# Altium PCB ultrasonic_emitter.PcbDoc
Units mm, origin at the board's own origin, x right, y up, seen from the top; angles counter-clockwise.
Board outline 196.63 x 170 mm, 2 copper layers (Top Layer, Bottom Layer); 95 components, 2 nets, 277 pads, 40 vias.
Unrouted connection lines stored in the file: 1.
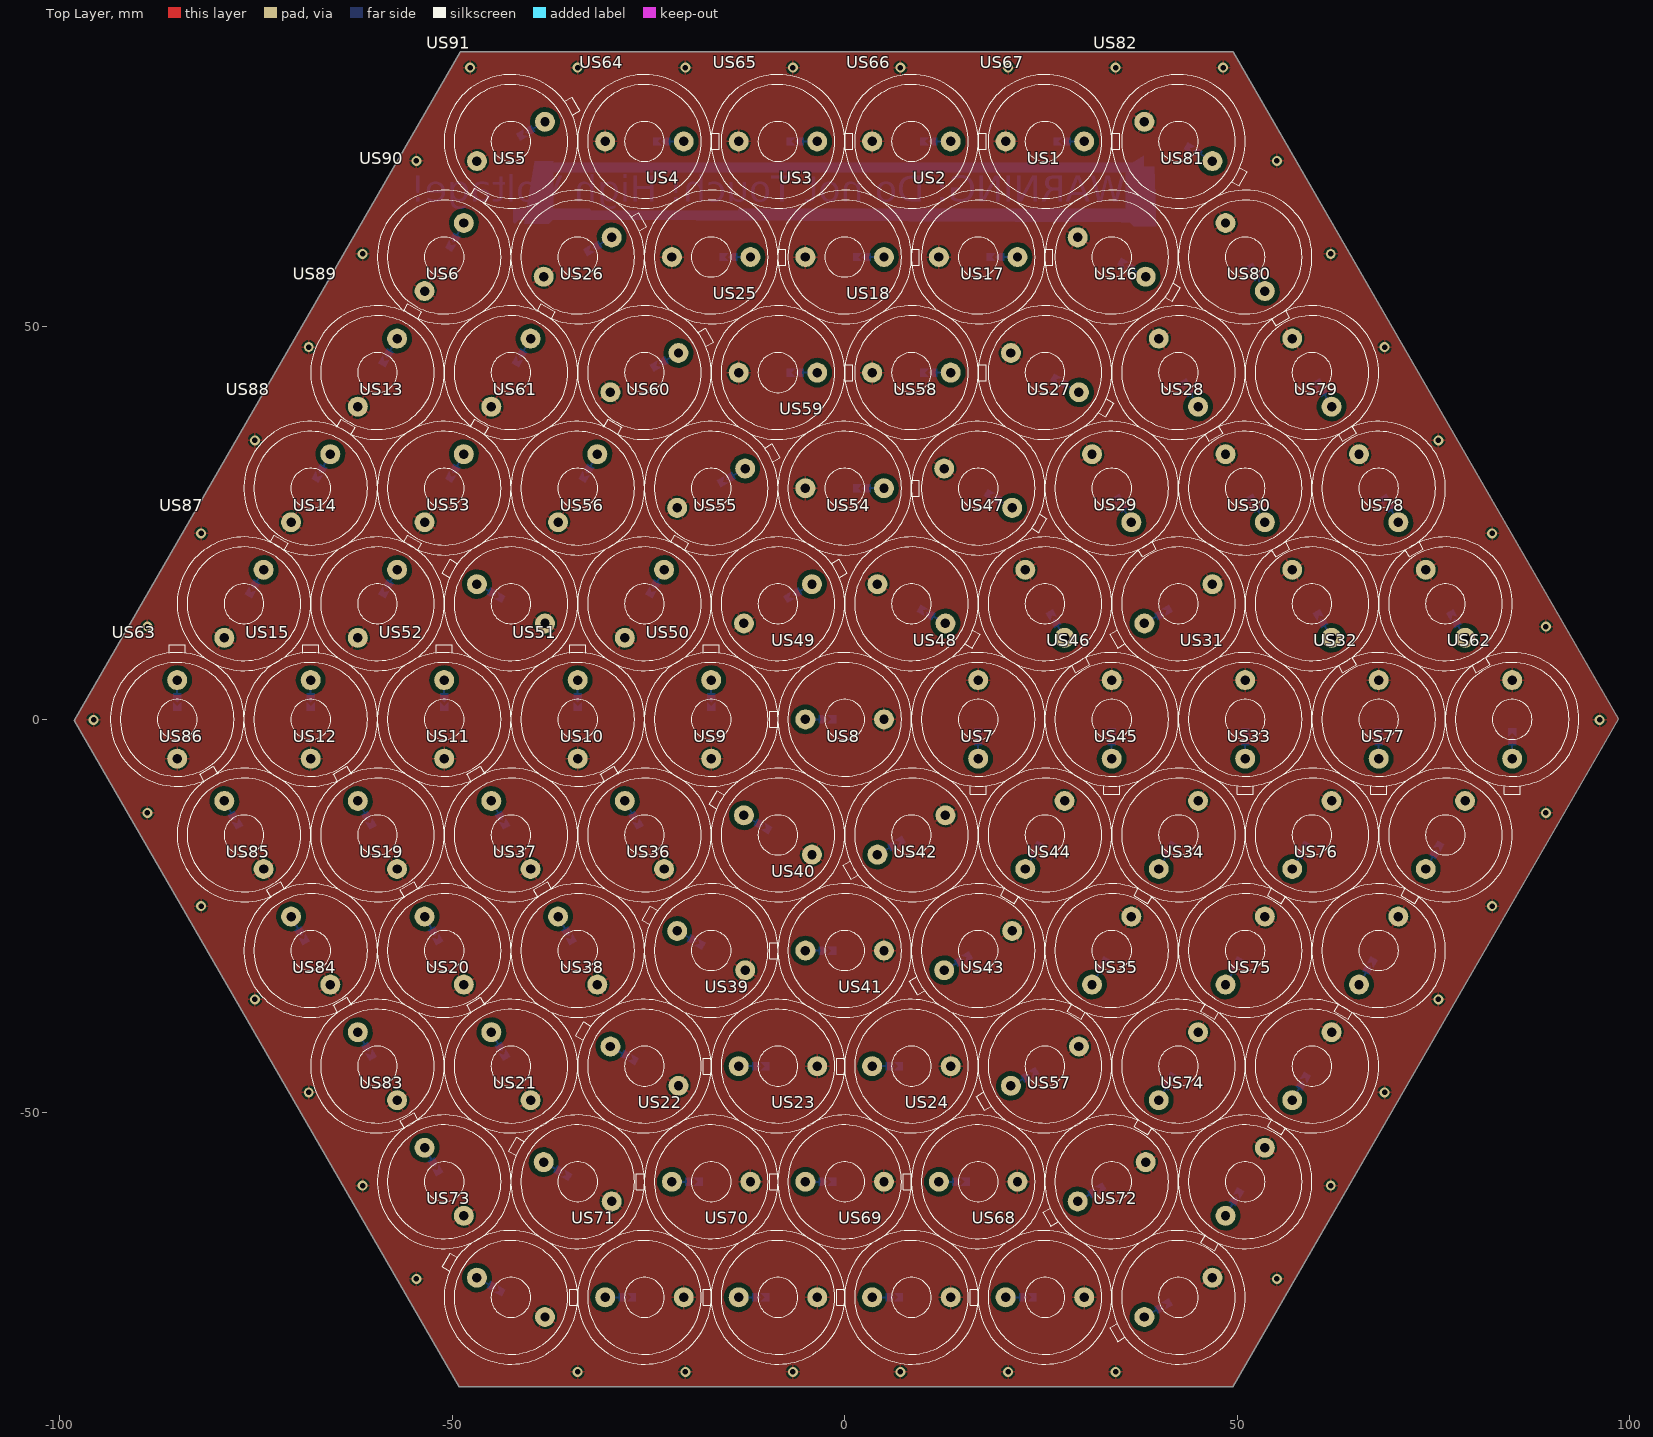
[diagram p0: Top Layer view]
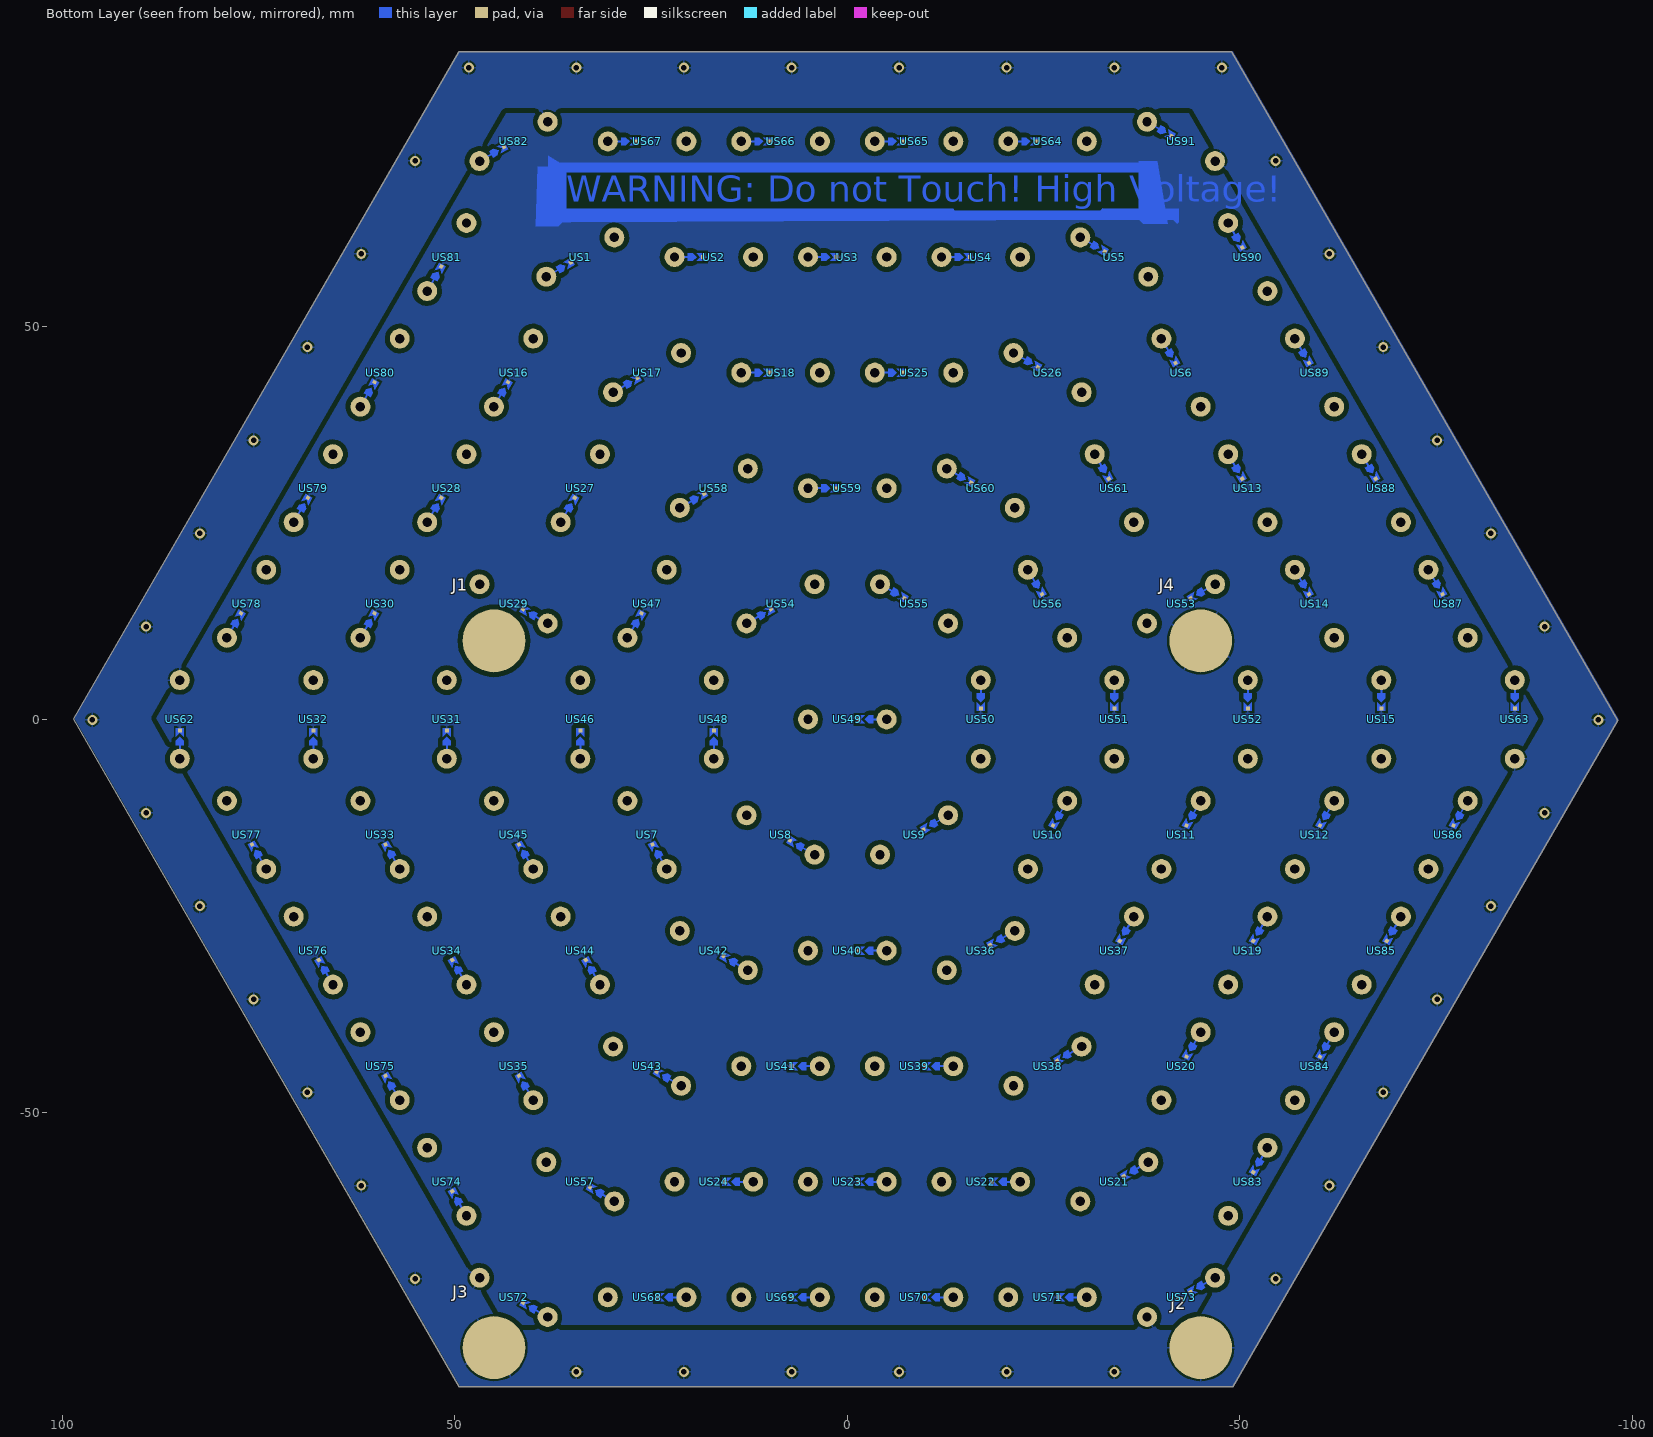
[diagram p1: Bottom Layer view, seen from below]

## Layer stack, top to bottom
Top Solder: solder mask 0.0102, Solder Resist, Dk 3.5
Top Layer: signal copper 0.0356
Dielectric 1: dielectric 0.32, FR-4, Dk 4.8
Bottom Layer: signal copper 0.0356
Bottom Solder: solder mask 0.0102, Solder Resist, Dk 3.5

## Board outline
-49.08,-85 49.423,-85 98.537,0.069 49.503,85 -48.947,85 -98.088,-0.115

## Design rules (kind name [scope] priority, off if disabled: settings)
Clearance [All] p1: gap=0.6
ComponentClearance [All] p1 off: gap=0 collisioncheckmode=3 verticalgap=0.254 showdistances=TRUE
PolygonConnect [All] p1: connectstyle=Relief reliefconductorwidth=0.254 reliefentries=4 polygonreliefangle="90 Angle" airgapwidth=0.254
RoutingVias [All] p1: holewidth=0.711 width=1.27 viastyle="Through Hole" minholewidth=0.711 minwidth=1.27 maxholewidth=0.711 maxwidth=1.27
SolderMaskExpansion [All] p1: expansion=0.102
Width [All] p1: maxlimit=0.254 minlimit=0.254 preferedwidth=0.254
29 further rules are at their usual default settings.

## Components (designator, comment, footprint, x,y, rotation, side; value= is the part's Value field where it differs from the comment)
J1 "NutSolder" NutSolder 45,10 r300 bottom
J2 "NutSolder" NutSolder -45,-80 r0 bottom
J3 "NutSolder" NutSolder 45,-80 r240 bottom
J4 "NutSolder" NutSolder -45,10 r120 bottom
US1 "Comment" 400PT1601 34,58.88 r330 top
US2 "" 400PT1601 17,58.88 r0 top
US3 "Comment" 400PT1601 0,58.88 r0 top
US4 "Comment" 400PT1601 -17,58.88 r0 top
US5 "Comment" 400PT1601 -34,58.88 r30 top
US6 "Comment" 400PT1601 -42.5,44.16 r60 top
US7 "Comment" 400PT1601 25.5,-14.72 r240 top
US8 "Comment" 400PT1601 8.5,-14.72 r210 top
US9 "Comment" 400PT1601 -8.5,-14.72 r150 top
US10 "Comment" 400PT1601 -25.5,-14.72 r120 top
US11 "Comment" 400PT1601 -42.5,-14.72 r120 top
US12 "Comment" 400PT1601 -59.5,-14.72 r120 top
US13 "Comment" 400PT1601 -51,29.44 r60 top
US14 "Comment" 400PT1601 -59.5,14.72 r60 top
US15 "Comment" 400PT1601 -68,0 r90 top
US16 "Comment" 400PT1601 42.5,44.16 r300 top
US17 "Comment" 400PT1601 25.5,44.16 r330 top
US18 "Comment" 400PT1601 8.5,44.16 r0 top
US19 "Comment" 400PT1601 -51,-29.44 r120 top
US20 "Comment" 400PT1601 -42.5,-44.16 r120 top
US21 "Comment" 400PT1601 -34,-58.88 r150 top
US22 "Comment" 400PT1601 -17,-58.88 r180 top
US23 "Comment" 400PT1601 0,-58.88 r180 top
US24 "Comment" 400PT1601 17,-58.88 r180 top
US25 "Comment" 400PT1601 -8.5,44.16 r0 top
US26 "" 400PT1601 -25.5,44.16 r30 top
US27 "Comment" 400PT1601 34,29.44 r300 top
US28 "Comment" 400PT1601 51,29.44 r300 top
US29 "Comment" 400PT1601 42.5,14.72 r210 top
US30 "Comment" 400PT1601 59.5,14.72 r300 top
US31 "Comment" 400PT1601 51,0 r270 top
US32 "Comment" 400PT1601 68,0 r270 top
US33 "Comment" 400PT1601 59.5,-14.72 r240 top
US34 "Comment" 400PT1601 51,-29.44 r240 top
US35 "Comment" 400PT1601 42.5,-44.16 r240 top
US36 "Comment" 400PT1601 -17,-29.44 r150 top
US37 "Comment" 400PT1601 -34,-29.44 r120 top
US38 "Comment" 400PT1601 -25.5,-44.16 r150 top
US39 "Comment" 400PT1601 -8.5,-44.16 r180 top
US40 "Comment" 400PT1601 0,-29.44 r180 top
US41 "Comment" 400PT1601 8.5,-44.16 r180 top
US42 "Comment" 400PT1601 17,-29.44 r210 top
US43 "Comment" 400PT1601 25.5,-44.16 r210 top
US44 "Comment" 400PT1601 34,-29.44 r240 top
US45 "Comment" 400PT1601 42.5,-14.72 r240 top
US46 "Comment" 400PT1601 34,0 r270 top
US47 "Comment" 400PT1601 25.5,14.72 r300 top
US48 "Comment" 400PT1601 17,0 r270 top
US49 "Comment" 400PT1601 0,0 r180 top
US50 "" 400PT1601 -17,0 r90 top
US51 "Comment" 400PT1601 -34,0 r90 top
US52 "Comment" 400PT1601 -51,0 r90 top
US53 "Comment" 400PT1601 -42.5,14.72 r150 top
US54 "Comment" 400PT1601 8.5,14.72 r330 top
US55 "Comment" 400PT1601 -8.5,14.72 r30 top
US56 "Comment" 400PT1601 -25.5,14.72 r60 top
US57 "Comment" 400PT1601 34,-58.88 r210 top
US58 "Comment" 400PT1601 17,29.44 r330 top
US59 "Comment" 400PT1601 0,29.44 r0 top
US60 "Comment" 400PT1601 -17,29.44 r30 top
US61 "Comment" 400PT1601 -34,29.44 r60 top
US62 "Comment" 400PT1601 85,0 r270 top
US63 "Comment" 400PT1601 -85,0 r90 top
US64 "" 400PT1601 -25.5,73.6 r0 top
US65 "" 400PT1601 -8.5,73.6 r0 top
US66 "" 400PT1601 8.5,73.6 r0 top
US67 "" 400PT1601 25.5,73.6 r0 top
US68 "Comment" 400PT1601 25.5,-73.6 r180 top
US69 "Comment" 400PT1601 8.5,-73.6 r180 top
US70 "Comment" 400PT1601 -8.5,-73.6 r180 top
US71 "Comment" 400PT1601 -25.5,-73.6 r180 top
US72 "Comment" 400PT1601 42.5,-73.6 r210 top
US73 "Comment" 400PT1601 -42.5,-73.6 r150 top
US74 "Comment" 400PT1601 51,-58.88 r240 top
US75 "Comment" 400PT1601 59.5,-44.16 r240 top
US76 "Comment" 400PT1601 68,-29.44 r240 top
US77 "Comment" 400PT1601 76.5,-14.72 r240 top
US78 "Comment" 400PT1601 76.5,14.72 r300 top
US79 "Comment" 400PT1601 68,29.44 r300 top
US80 "Comment" 400PT1601 59.5,44.16 r300 top
US81 "Comment" 400PT1601 51,58.88 r300 top
US82 "Comment" 400PT1601 42.5,73.6 r330 top
US83 "Comment" 400PT1601 -51,-58.88 r120 top
US84 "Comment" 400PT1601 -59.5,-44.16 r120 top
US85 "Comment" 400PT1601 -68,-29.44 r120 top
US86 "Comment" 400PT1601 -76.5,-14.72 r120 top
US87 "Comment" 400PT1601 -76.5,14.72 r60 top
US88 "Comment" 400PT1601 -68,29.44 r60 top
US89 "Comment" 400PT1601 -59.5,44.16 r60 top
US90 "Comment" 400PT1601 -51,58.88 r60 top
US91 "Comment" 400PT1601 -42.5,73.6 r30 top

## Footprints (in the part's own frame and the unit in brackets; to place one, negate y for a bottom-side part, rotate by r counter-clockwise, add the part's x,y. Pads: shape width x height; smd on the part's side, far side on the other; paste and mask are expansions set on the pad)
400PT1601 [mm]
  round 2.54 hole 1.2: 1(-5.004,0) 3(5.004,0)
  rect 0.5x0.5 smd far side: 2(1.4,0)
  Bottom Layer pour cut-out: 3.5,-0.8 3.5,0.8 0.8,0.8 0.8,0.3 1.5,0.3 1.5,-0.3 0.8,-0.3 0.8,-0.8
  Bottom Layer region: 2.2,0 2.7,0.5 3.3,0.5 3.3,-0.5 2.7,-0.5
  Bottom Layer region: 2.2,-0.5 1.7,0 2.2,0.5 1.1,0.5 1.1,-0.5
  Bottom Layer lines w0.254: 3,0 5.004,0
  silkscreen extent -8.51,-8.51 9.52,8.51, body extent -8.1,-8.1 8.1,8.1, height 12
NutSolder [mm]
  round 8 smd: 1(0,0)

## Part data
US1 US2 US3 US4 US5 US6 US7 US8 US9 US10 US11 US12 US13 US14 US15 US16 US17 US18 US19 US20 US21 US22 US23 US24 US25 US26 US27 US28 US29 US30 US31 US32 US33 US34 US35 US36 US37 US38 US39 US40 US41 US42 US43 US44 US45 US46 US47 US48 US49 US50 US51 US52 US53 US54 US55 US56 US57 US58 US59 US60 US61 US62 US63 US64 US65 US66 US67 US68 US69 US70 US71 US72 US73 US74 US75 US76 US77 US78 US79 US80 US81 US82 US83 US84 US85 US86 US87 US88 US89 US90 US91: library part 400PT160

## Via types
v1: diameter 1.27, hole 0.7, Top Layer to Bottom Layer, 40 vias

## Nets (pads, with @x,y where several pads share a name; then routed paths per layer and width w, separated by ;. In a path a pad name is that pad's centre, name@x,y a point inside that pad or via, vN(x,y) a via of type N, cw(c..) or ccw(c..) an arc to the next point about the centre after c; other vN are vias at no path point)
GND: J1.1 J2.1 J3.1 US1.1 US2.1 US3.1 US4.1 US5.1 US6.1 US7.1 US8.1 US9.1 US10.1 US11.1 US12.1 US13.1 US14.1 US15.1 US16.1 US17.1 US18.1 US19.1 US20.1 US21.1 US22.1 US23.1 US24.1 US25.1 US26.1 US27.1 US28.1 US29.1 US30.1 US31.1 US32.1 US33.1 US34.1 US35.1 US36.1 US37.1 US38.1 US39.1 US40.1 US41.1 US42.1 US43.1 US44.1 US45.1 US46.1 US47.1 US48.1 US49.1 US50.1 US51.1 US52.1 US53.1 US54.1 US55.1 US56.1 US57.1 US58.1 US59.1 US60.1 US61.1 US62.1 US63.1 US64.1 US65.1 US66.1 US67.1 US68.1 US69.1 US70.1 US71.1 US72.1 US73.1 US74.1 US75.1 US76.1 US77.1 US78.1 US79.1 US80.1 US81.1 US82.1 US83.1 US84.1 US85.1 US86.1 US87.1 US88.1 US89.1 US90.1 US91.1
  other v1: -34,-83.104 -20.3,-83.104 -6.6,-83.104 7.1,-83.104 20.8,-83.104 34.5,-83.104 -54.55,-71.239 55.05,-71.239 -61.4,-59.375 61.9,-59.375 -68.25,-47.51 68.75,-47.51 -75.1,-35.645 75.6,-35.645 -81.95,-23.781 82.45,-23.781 -88.8,-11.916 89.3,-11.916 -95.65,-0.052 96.15,-0.052 -88.8,11.813 89.3,11.813 -81.95,23.677 82.45,23.677 -75.1,35.542 75.6,35.542 -68.25,47.406 68.75,47.406 -61.4,59.271 61.9,59.271 -54.55,71.135 55.05,71.135 -47.7,83 -34,83 -20.3,83 -6.6,83 7.1,83 20.8,83 34.5,83 48.2,83
US: J4.1 US1.2 US2.2 US3.2 US4.2 US5.2 US6.2 US7.2 US8.2 US9.2 US11.2 US12.2 US13.2 US14.2 US15.2 US16.2 US17.2 US18.2 US19.2 US20.2 US21.2 US23.2 US24.2 US25.2 US26.2 US27.2 US28.2 US29.2 US30.2 US31.2 US32.2 US33.2 US35.2 US36.2 US37.2 US38.2 US39.2 US40.2 US41.2 US42.2 US43.2 US44.2 US45.2 US47.2 US48.2 US49.2 US50.2 US51.2 US52.2 US53.2 US54.2 US55.2 US56.2 US57.2 US58.2 US59.2 US60.2 US61.2 US62.2 US63.2 US64.2 US65.2 US66.2 US67.2 US68.2 US69.2 US70.2 US71.2 US72.2 US73.2 US74.2 US75.2 US76.2 US77.2 US78.2 US79.2 US80.2 US81.2 US82.2 US83.2 US84.2 US85.2 US86.2 US87.2 US88.2 US89.2 US90.2 US91.2
pads on no net: US1.3 US2.3 US3.3 US4.3 US5.3 US6.3 US7.3 US8.3 US9.3 US10.2 US10.3 US11.3 US12.3 US13.3 US14.3 US15.3 US16.3 US17.3 US18.3 US19.3 US20.3 US21.3 US22.2 US22.3 US23.3 US24.3 US25.3 US26.3 US27.3 US28.3 US29.3 US30.3 US31.3 US32.3 US33.3 US34.2 US34.3 US35.3 US36.3 US37.3 US38.3 US39.3 US40.3 US41.3 US42.3 US43.3 US44.3 US45.3 US46.2 US46.3 US47.3 US48.3 US49.3 US50.3 US51.3 US52.3 US53.3 US54.3 US55.3 US56.3 US57.3 US58.3 US59.3 US60.3 US61.3 US62.3 US63.3 US64.3 US65.3 US66.3 US67.3 US68.3 US69.3 US70.3 US71.3 US72.3 US73.3 US74.3 US75.3 US76.3 US77.3 US78.3 US79.3 US80.3 US81.3 US82.3 US83.3 US84.3 US85.3 US86.3 US87.3 US88.3 US89.3 US90.3 US91.3

## Polygon pours and split planes (outlines as drawn)
GND on Top Layer "GND_L01_P002" (solid, pour order 2): -49.08,-85 49.423,-85 98.584,0.116 49.503,85 24.9,85 -48.947,85 -98.088,-0.115
GND on Bottom Layer "GND_L02_P006" (solid, pour order 6): -49.24,-84.905 49.263,-84.905 98.424,0.211 49.343,85.095 24.74,85.095 -49.107,85.095 -98.248,-0.019
US on Bottom Layer "US_L02_P004" (solid, pour order 4): -43.519,-77.1 43.518,-77.1 88,0.161 43.462,77.2 -43.462,77.2 -88,0.069

## Other copper
Bottom Layer:
  region net US: 35.2,63.3 36.4,63.3 37.1,64 36.6,64.5 36.6,65.1 36.5,65 -13.5,65 -13.7,64.8 -32.2,64.8 -32.5,65.1 -32.6,65 -42.2,65 -42.2,63.3 -42,63.1 -41.5,63.6 -32.4,63.6
  region net US: 39.4,70.4 36,70.4 35.9,70.5 35.8,70.4 35.8,63.8 36.8,62.8 39.7,62.8
  region net US: 38.1,71.8 38.1,70.1 37.7,69.7 -37.3,69.7 -38.5,70.9 36.6,70.9
  region net US: -39.5,71.1 -37.1,71.1 -37.1,63.7 -37.7,63.1 -40.8,63.1
  text "WARNING: Do not Touch! High Voltage!" at 35.8,64.8 h5.7

## Silkscreen, mask and mechanical layers (free items; w line width, h text height)
Mechanical 1:
  lines w0.254: -98.022,0 -48.947,-85 49.423,-85 98.499,0.003 49.426,85 -48.947,85 -98.022,0
  lines w0.35: -50,-85 -50,15 50,15 50,-85